# KiCad board 9W_SYSKA.kicad_pcb (continued)
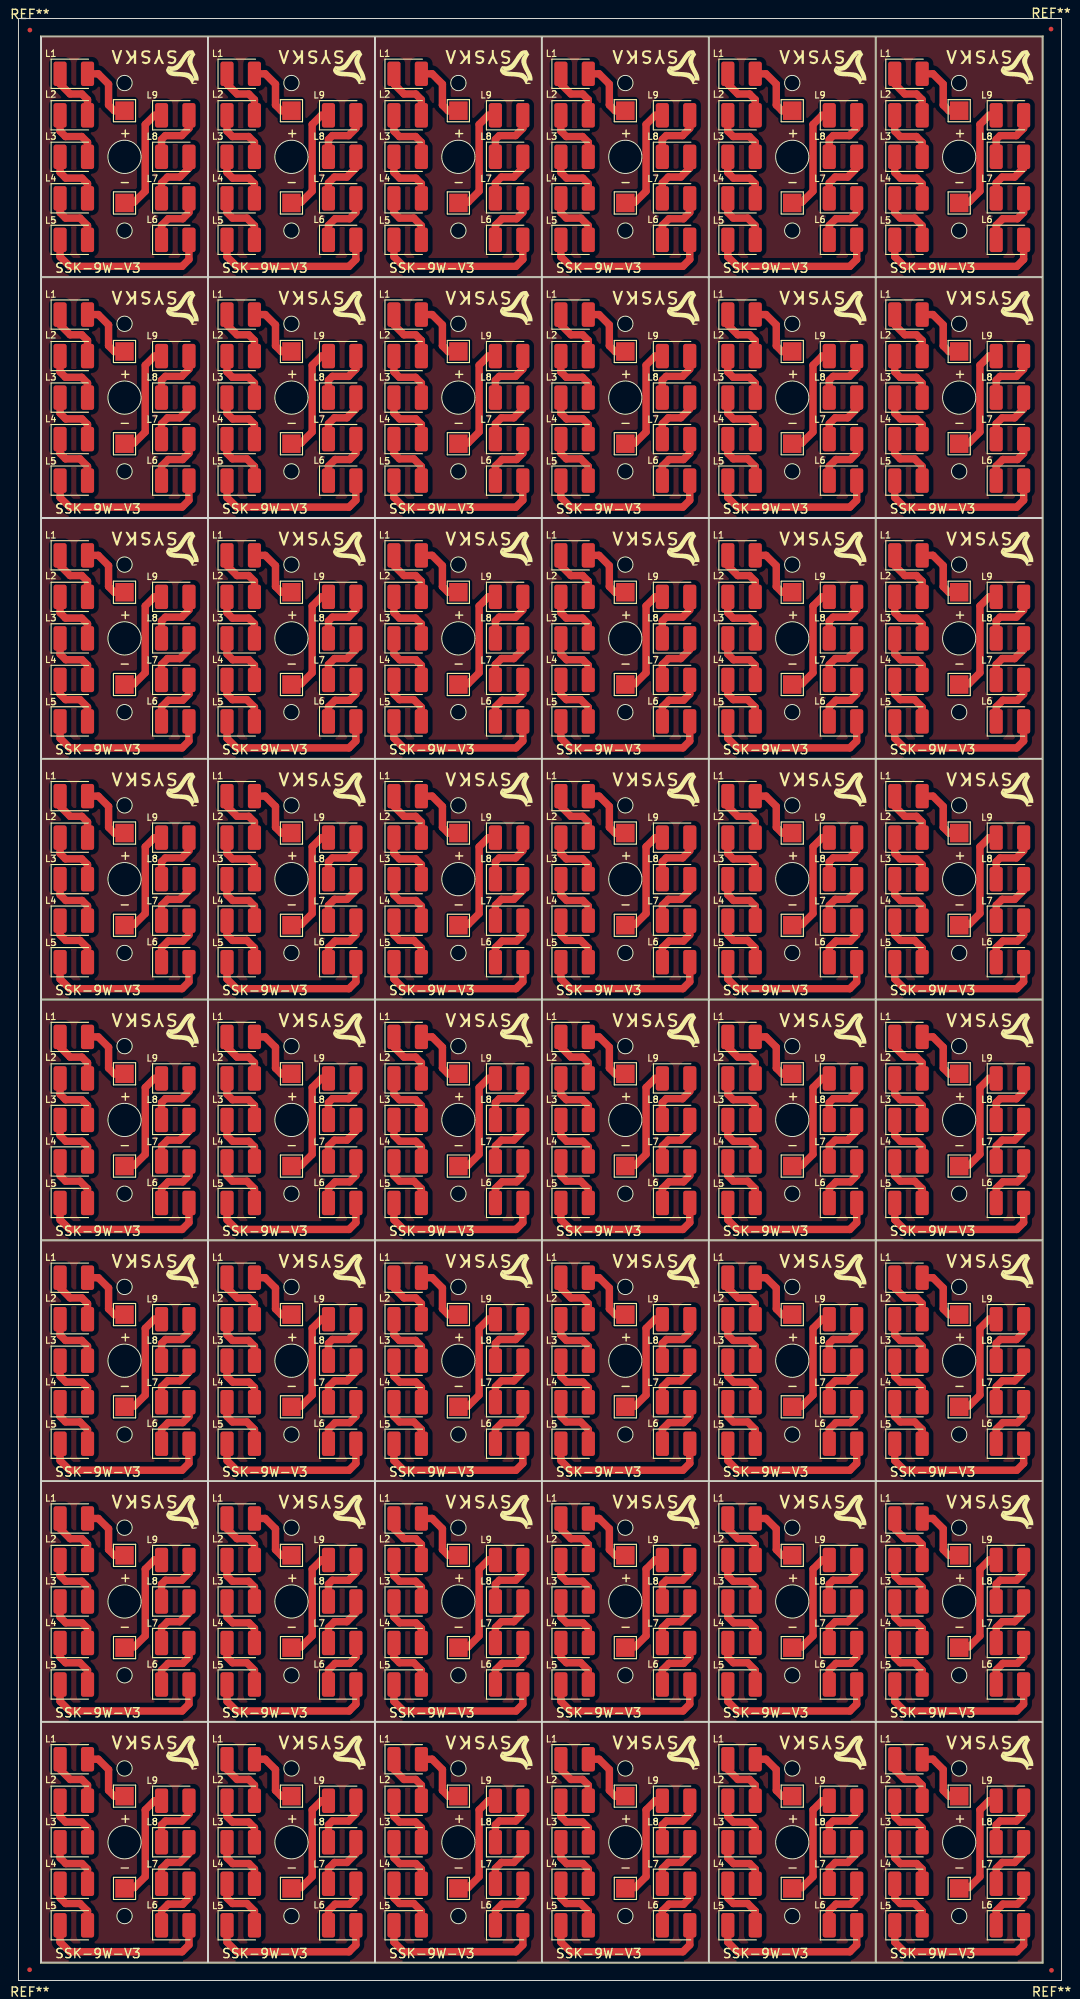
[diagram p0: board, top side]
## Nets (continued)
Net-(L3-K): L3.1 L3#2.1 L3#3.1 L3#4.1 L3#5.1 L3#6.1 L3#7.1 L3#8.1 L3#9.1 L3#10.1 L3#11.1 L3#12.1 L3#13.1 L3#14.1 L3#15.1 L3#16.1 L3#17.1 L3#18.1 L3#19.1 L3#20.1 L3#21.1 L3#22.1 L3#23.1 L3#24.1 L3#25.1 L3#26.1 L3#27.1 L3#28.1 L3#29.1 L3#30.1 L3#31.1 L3#32.1 L3#33.1 L3#34.1 L3#35.1 L3#36.1 L3#37.1 L3#38.1 L3#39.1 L3#40.1 L3#41.1 L3#42.1 L3#43.1 L3#44.1 L3#45.1 L3#46.1 L3#47.1 L3#48.1 L4.2 L4#2.2 L4#3.2 L4#4.2 L4#5.2 L4#6.2 L4#7.2 L4#8.2 L4#9.2 L4#10.2 L4#11.2 L4#12.2 L4#13.2 L4#14.2 L4#15.2 L4#16.2 L4#17.2 L4#18.2 L4#19.2 L4#20.2 L4#21.2 L4#22.2 L4#23.2 L4#24.2 L4#25.2 L4#26.2 L4#27.2 L4#28.2 L4#29.2 L4#30.2 L4#31.2 L4#32.2 L4#33.2 L4#34.2 L4#35.2 L4#36.2 L4#37.2 L4#38.2 L4#39.2 L4#40.2 L4#41.2 L4#42.2 L4#43.2 L4#44.2 L4#45.2 L4#46.2 L4#47.2 L4#48.2
Net-(L4-K): L4.1 L4#2.1 L4#3.1 L4#4.1 L4#5.1 L4#6.1 L4#7.1 L4#8.1 L4#9.1 L4#10.1 L4#11.1 L4#12.1 L4#13.1 L4#14.1 L4#15.1 L4#16.1 L4#17.1 L4#18.1 L4#19.1 L4#20.1 L4#21.1 L4#22.1 L4#23.1 L4#24.1 L4#25.1 L4#26.1 L4#27.1 L4#28.1 L4#29.1 L4#30.1 L4#31.1 L4#32.1 L4#33.1 L4#34.1 L4#35.1 L4#36.1 L4#37.1 L4#38.1 L4#39.1 L4#40.1 L4#41.1 L4#42.1 L4#43.1 L4#44.1 L4#45.1 L4#46.1 L4#47.1 L4#48.1 L5.2 L5#2.2 L5#3.2 L5#4.2 L5#5.2 L5#6.2 L5#7.2 L5#8.2 L5#9.2 L5#10.2 L5#11.2 L5#12.2 L5#13.2 L5#14.2 L5#15.2 L5#16.2 L5#17.2 L5#18.2 L5#19.2 L5#20.2 L5#21.2 L5#22.2 L5#23.2 L5#24.2 L5#25.2 L5#26.2 L5#27.2 L5#28.2 L5#29.2 L5#30.2 L5#31.2 L5#32.2 L5#33.2 L5#34.2 L5#35.2 L5#36.2 L5#37.2 L5#38.2 L5#39.2 L5#40.2 L5#41.2 L5#42.2 L5#43.2 L5#44.2 L5#45.2 L5#46.2 L5#47.2 L5#48.2
Net-(L5-K): L5.1 L5#2.1 L5#3.1 L5#4.1 L5#5.1 L5#6.1 L5#7.1 L5#8.1 L5#9.1 L5#10.1 L5#11.1 L5#12.1 L5#13.1 L5#14.1 L5#15.1 L5#16.1 L5#17.1 L5#18.1 L5#19.1 L5#20.1 L5#21.1 L5#22.1 L5#23.1 L5#24.1 L5#25.1 L5#26.1 L5#27.1 L5#28.1 L5#29.1 L5#30.1 L5#31.1 L5#32.1 L5#33.1 L5#34.1 L5#35.1 L5#36.1 L5#37.1 L5#38.1 L5#39.1 L5#40.1 L5#41.1 L5#42.1 L5#43.1 L5#44.1 L5#45.1 L5#46.1 L5#47.1 L5#48.1 L6.2 L6#2.2 L6#3.2 L6#4.2 L6#5.2 L6#6.2 L6#7.2 L6#8.2 L6#9.2 L6#10.2 L6#11.2 L6#12.2 L6#13.2 L6#14.2 L6#15.2 L6#16.2 L6#17.2 L6#18.2 L6#19.2 L6#20.2 L6#21.2 L6#22.2 L6#23.2 L6#24.2 L6#25.2 L6#26.2 L6#27.2 L6#28.2 L6#29.2 L6#30.2 L6#31.2 L6#32.2 L6#33.2 L6#34.2 L6#35.2 L6#36.2 L6#37.2 L6#38.2 L6#39.2 L6#40.2 L6#41.2 L6#42.2 L6#43.2 L6#44.2 L6#45.2 L6#46.2 L6#47.2 L6#48.2
Net-(L6-K): L6.1 L6#2.1 L6#3.1 L6#4.1 L6#5.1 L6#6.1 L6#7.1 L6#8.1 L6#9.1 L6#10.1 L6#11.1 L6#12.1 L6#13.1 L6#14.1 L6#15.1 L6#16.1 L6#17.1 L6#18.1 L6#19.1 L6#20.1 L6#21.1 L6#22.1 L6#23.1 L6#24.1 L6#25.1 L6#26.1 L6#27.1 L6#28.1 L6#29.1 L6#30.1 L6#31.1 L6#32.1 L6#33.1 L6#34.1 L6#35.1 L6#36.1 L6#37.1 L6#38.1 L6#39.1 L6#40.1 L6#41.1 L6#42.1 L6#43.1 L6#44.1 L6#45.1 L6#46.1 L6#47.1 L6#48.1 L7.2 L7#2.2 L7#3.2 L7#4.2 L7#5.2 L7#6.2 L7#7.2 L7#8.2 L7#9.2 L7#10.2 L7#11.2 L7#12.2 L7#13.2 L7#14.2 L7#15.2 L7#16.2 L7#17.2 L7#18.2 L7#19.2 L7#20.2 L7#21.2 L7#22.2 L7#23.2 L7#24.2 L7#25.2 L7#26.2 L7#27.2 L7#28.2 L7#29.2 L7#30.2 L7#31.2 L7#32.2 L7#33.2 L7#34.2 L7#35.2 L7#36.2 L7#37.2 L7#38.2 L7#39.2 L7#40.2 L7#41.2 L7#42.2 L7#43.2 L7#44.2 L7#45.2 L7#46.2 L7#47.2 L7#48.2
Net-(L7-K): L7.1 L7#2.1 L7#3.1 L7#4.1 L7#5.1 L7#6.1 L7#7.1 L7#8.1 L7#9.1 L7#10.1 L7#11.1 L7#12.1 L7#13.1 L7#14.1 L7#15.1 L7#16.1 L7#17.1 L7#18.1 L7#19.1 L7#20.1 L7#21.1 L7#22.1 L7#23.1 L7#24.1 L7#25.1 L7#26.1 L7#27.1 L7#28.1 L7#29.1 L7#30.1 L7#31.1 L7#32.1 L7#33.1 L7#34.1 L7#35.1 L7#36.1 L7#37.1 L7#38.1 L7#39.1 L7#40.1 L7#41.1 L7#42.1 L7#43.1 L7#44.1 L7#45.1 L7#46.1 L7#47.1 L7#48.1 L8.2 L8#2.2 L8#3.2 L8#4.2 L8#5.2 L8#6.2 L8#7.2 L8#8.2 L8#9.2 L8#10.2 L8#11.2 L8#12.2 L8#13.2 L8#14.2 L8#15.2 L8#16.2 L8#17.2 L8#18.2 L8#19.2 L8#20.2 L8#21.2 L8#22.2 L8#23.2 L8#24.2 L8#25.2 L8#26.2 L8#27.2 L8#28.2 L8#29.2 L8#30.2 L8#31.2 L8#32.2 L8#33.2 L8#34.2 L8#35.2 L8#36.2 L8#37.2 L8#38.2 L8#39.2 L8#40.2 L8#41.2 L8#42.2 L8#43.2 L8#44.2 L8#45.2 L8#46.2 L8#47.2 L8#48.2
Net-(L8-K): L8.1 L8#2.1 L8#3.1 L8#4.1 L8#5.1 L8#6.1 L8#7.1 L8#8.1 L8#9.1 L8#10.1 L8#11.1 L8#12.1 L8#13.1 L8#14.1 L8#15.1 L8#16.1 L8#17.1 L8#18.1 L8#19.1 L8#20.1 L8#21.1 L8#22.1 L8#23.1 L8#24.1 L8#25.1 L8#26.1 L8#27.1 L8#28.1 L8#29.1 L8#30.1 L8#31.1 L8#32.1 L8#33.1 L8#34.1 L8#35.1 L8#36.1 L8#37.1 L8#38.1 L8#39.1 L8#40.1 L8#41.1 L8#42.1 L8#43.1 L8#44.1 L8#45.1 L8#46.1 L8#47.1 L8#48.1 L9.2 L9#2.2 L9#3.2 L9#4.2 L9#5.2 L9#6.2 L9#7.2 L9#8.2 L9#9.2 L9#10.2 L9#11.2 L9#12.2 L9#13.2 L9#14.2 L9#15.2 L9#16.2 L9#17.2 L9#18.2 L9#19.2 L9#20.2 L9#21.2 L9#22.2 L9#23.2 L9#24.2 L9#25.2 L9#26.2 L9#27.2 L9#28.2 L9#29.2 L9#30.2 L9#31.2 L9#32.2 L9#33.2 L9#34.2 L9#35.2 L9#36.2 L9#37.2 L9#38.2 L9#39.2 L9#40.2 L9#41.2 L9#42.2 L9#43.2 L9#44.2 L9#45.2 L9#46.2 L9#47.2 L9#48.2

## Routing (per net, layer and track width the routed paths; a pad name or vN(x,y) marks a point on that pad's centre or on a via; arc(x,y) is an arc through that point)
Net-(J1-Pin_1): length 335.7
  Top w0.8: L1#37.2 81.05,50.09 82.17,48.97 82.17,46.71 82.79,46.09 J1#2.1 ; J1#41.1 100.89,176.59 100.27,177.21 100.27,179.47 99.15,180.59 L1#19.2 ; L1#36.2 26.75,154.49 27.87,153.37 27.87,151.11 28.49,150.49 J1#22.1 ; J1#43.1 64.69,176.59 64.07,177.21 64.07,179.47 62.95,180.59 L1#32.2 ; L1#3.2 81.05,206.69 82.17,205.57 82.17,203.31 82.79,202.69 J1#44.1 ; L1#17.2 81.05,154.49 82.17,153.37 82.17,151.11 82.79,150.49 J1#23.1 ; J1#47.1 10.39,124.39 9.77,125.01 9.77,127.27 8.65,128.39 L1#34.2 ; L1#23.2 99.15,102.29 100.27,101.17 100.27,98.91 100.89,98.29 J1#28.1 ; L1#10.2 8.65,23.99 9.77,22.87 9.77,20.61 10.39,19.99 J1#17.1 ; J1#16.1 64.69,72.19 64.07,72.81 64.07,75.07 62.95,76.19 L1#39.2 ; J1#5.1 46.59,46.09 45.97,46.71 45.97,48.97 44.85,50.09 L1#29.2 ; J1#33.1 64.69,19.99 64.07,20.61 64.07,22.87 62.95,23.99 L1#30.2 ; L1#46.2 26.75,50.09 27.87,48.97 27.87,46.71 28.49,46.09 J1#39.1 ; J1#32.1 10.39,176.59 9.77,177.21 9.77,179.47 8.65,180.59 L1#48.2 ; J1#27.1 82.79,19.99 82.17,20.61 82.17,22.87 81.05,23.99 L1#24.2 ; J1#20.1 46.59,202.69 45.97,203.31 45.97,205.57 44.85,206.69 L1#14.2 ; J1#40.1 82.79,124.39 82.17,125.01 82.17,127.27 81.05,128.39 L1#44.2 ; J1#14.1 64.69,150.49 64.07,151.11 64.07,153.37 62.95,154.49 L1#18.2 ; L1.2 81.05,180.59 82.17,179.47 82.17,177.21 82.79,176.59 J1#4.1 ; J1#30.1 28.49,202.69 27.87,203.31 27.87,205.57 26.75,206.69 L1#15.2 ; J1#36.1 46.59,72.19 45.97,72.81 45.97,75.07 44.85,76.19 L1#25.2 ; J1#34.1 28.49,98.29 27.87,98.91 27.87,101.17 26.75,102.29 L1#13.2 ; L1#40.2 62.95,128.39 64.07,127.27 64.07,125.01 64.69,124.39 J1#9.1 ; L1#43.2 8.65,102.29 9.77,101.17 9.77,98.91 10.39,98.29 J1#11.1 ; L1#41.2 44.85,102.29 45.97,101.17 45.97,98.91 46.59,98.29 J1#31.1 ; J1#46.1 46.59,176.59 45.97,177.21 45.97,179.47 44.85,180.59 L1#5.2 ; L1#6.2 62.95,206.69 64.07,205.57 64.07,203.31 64.69,202.69 J1#15.1 ; L1#16.2 99.15,50.09 100.27,48.97 100.27,46.71 100.89,46.09 J1#6.1 ; J1#25.1 100.89,202.69 100.27,203.31 100.27,205.57 99.15,206.69 L1#38.2 ; L1#26.2 8.65,154.49 9.77,153.37 9.77,151.11 10.39,150.49 J1#37.1 ; J1#21.1 100.89,72.19 100.27,72.81 100.27,75.07 99.15,76.19 L1#11.2 ; L1#27.2 26.75,128.39 27.87,127.27 27.87,125.01 28.49,124.39 J1.1 ; L1#42.2 8.65,50.09 9.77,48.97 9.77,46.71 10.39,46.09 J1#48.1 ; L1#21.2 26.75,76.19 27.87,75.07 27.87,72.81 28.49,72.19 J1#24.1 ; L1#12.2 44.85,128.39 45.97,127.27 45.97,125.01 46.59,124.39 J1#8.1 ; J1#3.1 46.59,150.49 45.97,151.11 45.97,153.37 44.85,154.49 L1#8.2 ; J1#7.1 28.49,19.99 27.87,20.61 27.87,22.87 26.75,23.99 L1#4.2 ; L1#7.2 44.85,23.99 45.97,22.87 45.97,20.61 46.59,19.99 J1#13.1 ; L1#33.2 8.65,206.69 9.77,205.57 9.77,203.31 10.39,202.69 J1#42.1 ; J1#10.1 100.89,124.39 100.27,125.01 100.27,127.27 99.15,128.39 L1#45.2 ; L1#28.2 99.15,154.49 100.27,153.37 100.27,151.11 100.89,150.49 J1#19.1 ; L1#2.2 26.75,180.59 27.87,179.47 27.87,177.21 28.49,176.59 J1#29.1 ; L1#22.2 81.05,102.29 82.17,101.17 82.17,98.91 82.79,98.29 J1#26.1 ; J1#12.1 82.79,72.19 82.17,72.81 82.17,75.07 81.05,76.19 L1#31.2 ; J1#45.1 64.69,46.09 64.07,46.71 64.07,48.97 62.95,50.09 L1#47.2 ; L1#20.2 62.95,102.29 64.07,101.17 64.07,98.91 64.69,98.29 J1#38.1 ; J1#35.1 10.39,72.19 9.77,72.81 9.77,75.07 8.65,76.19 L1#35.2 ; L1#9.2 99.15,23.99 100.27,22.87 100.27,20.61 100.89,19.99 J1#18.1
Net-(J2-Pin_1): length 582.8
  Top w0.8: L9#31.1 14.74,97.79 13.75,96.8 13.75,89.57 12.57,88.39 11.5,88.39 ; L9#34.1 14.74,45.59 13.75,44.6 13.75,37.37 12.57,36.19 11.5,36.19 ; 65.8,36.19 66.87,36.19 68.05,37.37 68.05,44.6 69.04,45.59 L9#24.1 ; 65.8,192.79 66.87,192.79 68.05,193.97 68.05,201.2 69.04,202.19 L9#33.1 ; 102,140.59 103.07,140.59 104.25,141.77 104.25,149 105.24,149.99 L9#37.1 ; 65.8,62.29 66.87,62.29 68.05,63.47 68.05,70.7 69.04,71.69 L9#41.1 ; 33.62,123.89 32.84,123.89 31.85,122.9 31.85,115.67 30.67,114.49 29.6,114.49 ; 83.9,10.09 84.97,10.09 86.15,11.27 86.15,18.5 87.14,19.49 L9#15.1 ; 51.72,123.89 50.94,123.89 49.95,122.9 49.95,115.67 48.77,114.49 47.7,114.49 ; L9#21.1 105.24,123.89 104.25,122.9 104.25,115.67 103.07,114.49 102,114.49 ; 29.6,166.69 30.67,166.69 31.85,167.87 31.85,175.1 32.84,176.09 L9#23.1 ; 102,62.29 103.07,62.29 104.25,63.47 104.25,70.7 105.24,71.69 L9.1 ; 83.9,166.69 84.97,166.69 86.15,167.87 86.15,175.1 87.14,176.09 L9#16.1 ; L9#19.1 50.94,202.19 49.95,201.2 49.95,193.97 48.77,192.79 47.7,192.79 ; 65.8,166.69 66.87,166.69 68.05,167.87 68.05,175.1 69.04,176.09 L9#32.1 ; 33.62,97.79 32.84,97.79 31.85,96.8 31.85,89.57 30.67,88.39 29.6,88.39 ; 29.6,192.79 30.67,192.79 31.85,193.97 31.85,201.2 32.84,202.19 L9#26.1 ; L9#7.1 87.14,123.89 86.15,122.9 86.15,115.67 84.97,114.49 83.9,114.49 ; 65.8,114.49 66.87,114.49 68.05,115.67 68.05,122.9 69.04,123.89 L9#40.1 ; L9#6.1 105.24,45.59 104.25,44.6 104.25,37.37 103.07,36.19 102,36.19 ; 11.5,114.49 12.57,114.49 13.75,115.67 13.75,122.9 14.74,123.89 L9#13.1 ; 33.62,71.69 32.84,71.69 31.85,70.7 31.85,63.47 30.67,62.29 29.6,62.29 ; 83.9,62.29 84.97,62.29 86.15,63.47 86.15,70.7 87.14,71.69 L9#11.1 ; L9#14.1 69.04,19.49 68.05,18.5 68.05,11.27 66.87,10.09 65.8,10.09 ; 83.9,36.19 84.97,36.19 86.15,37.37 86.15,44.6 87.14,45.59 L9#44.1 ; 47.7,36.19 48.77,36.19 49.95,37.37 49.95,44.6 50.94,45.59 51.72,45.59 ; L9#30.1 50.94,149.99 49.95,149 49.95,141.77 48.77,140.59 47.7,140.59 ; 83.9,140.59 84.97,140.59 86.15,141.77 86.15,149 87.14,149.99 L9#27.1 ; 83.9,88.39 84.97,88.39 86.15,89.57 86.15,96.8 87.14,97.79 L9#42.1 ; L9#8.1 69.04,149.99 68.05,149 68.05,141.77 66.87,140.59 65.8,140.59 ; 29.6,36.19 30.67,36.19 31.85,37.37 31.85,44.6 32.84,45.59 33.62,45.59 ; 11.5,192.79 12.57,192.79 13.75,193.97 13.75,201.2 14.74,202.19 L9#3.1 ; L9#17.1 14.74,71.69 13.75,70.7 13.75,63.47 12.57,62.29 11.5,62.29 ; L9#39.1 105.24,176.09 104.25,175.1 104.25,167.87 103.07,166.69 102,166.69 ; 102,192.79 103.07,192.79 104.25,193.97 104.25,201.2 105.24,202.19 L9#4.1 ; L9#38.1 87.14,202.19 86.15,201.2 86.15,193.97 84.97,192.79 83.9,192.79 ; 11.5,166.69 12.57,166.69 13.75,167.87 13.75,175.1 14.74,176.09 L9#29.1 ; L9#20.1 50.94,176.09 49.95,175.1 49.95,167.87 48.77,166.69 47.7,166.69 ; L9#12.1 14.74,19.49 13.75,18.5 13.75,11.27 12.57,10.09 11.5,10.09 ; L9#10.1 69.04,97.79 68.05,96.8 68.05,89.57 66.87,88.39 65.8,88.39 ; 29.6,140.59 30.67,140.59 31.85,141.77 31.85,149 32.84,149.99 L9#2.1 ; 51.72,71.69 50.94,71.69 49.95,70.7 49.95,63.47 48.77,62.29 47.7,62.29 ; L9#48.1 14.74,149.99 13.75,149 13.75,141.77 12.57,140.59 11.5,140.59 ; 33.62,19.49 32.84,19.49 31.85,18.5 31.85,11.27 30.67,10.09 29.6,10.09 ; L9#36.1 105.24,19.49 104.25,18.5 104.25,11.27 103.07,10.09 102,10.09 ; 47.7,88.39 48.77,88.39 49.95,89.57 49.95,96.8 50.94,97.79 51.72,97.79 ; 47.7,10.09 48.77,10.09 49.95,11.27 49.95,18.5 50.94,19.49 51.72,19.49 ; L9#47.1 105.24,97.79 104.25,96.8 104.25,89.57 103.07,88.39 102,88.39
Net-(L1-K): length 310.9
  Top w0.8: L2#3.2 61.79,99.48 61.17,100.1 59.9,100.1 58.81,101.19 L1#20.1 ; L1#30.1 58.81,22.89 59.9,21.8 61.17,21.8 61.79,21.18 L2#37.2 ; L2#41.2 25.59,99.48 24.97,100.1 23.7,100.1 22.61,101.19 L1#13.1 ; L2#27.2 79.89,21.18 79.27,21.8 78,21.8 76.91,22.89 L1#24.1 ; L2#6.2 25.59,177.78 24.97,178.4 23.7,178.4 22.61,179.49 L1#2.1 ; L2#42.2 7.49,47.28 6.87,47.9 5.6,47.9 4.52,48.99 L1#42.1 ; L2#34.2 79.89,177.78 79.27,178.4 78,178.4 76.91,179.49 L1.1 ; L2#21.2 97.99,151.68 97.37,152.3 96.1,152.3 95.01,153.39 L1#28.1 ; L1#31.1 76.91,75.09 78,74 79.27,74 79.89,73.38 L2#18.2 ; L1#40.1 58.81,127.29 59.9,126.2 61.17,126.2 61.79,125.58 L2#36.2 ; L1#46.1 22.61,48.99 23.7,47.9 24.97,47.9 25.59,47.28 L2#43.2 ; L2#16.2 97.99,73.38 97.37,74 96.1,74 95.01,75.09 L1#11.1 ; L1#5.1 40.71,179.49 41.8,178.4 43.07,178.4 43.69,177.78 L2#28.2 ; L1#8.1 40.71,153.39 41.8,152.3 43.07,152.3 43.69,151.68 L2#32.2 ; L2.2 43.69,99.48 43.07,100.1 41.8,100.1 40.72,101.19 40.72,102.29 ; L2#8.2 61.79,47.28 61.17,47.9 59.9,47.9 58.81,48.99 L1#47.1 ; 40.72,50.09 40.72,48.99 41.8,47.9 43.07,47.9 43.69,47.28 L2#2.2 ; L1#39.1 58.81,75.09 59.9,74 61.17,74 61.79,73.38 L2#15.2 ; L1#6.1 58.81,205.59 59.9,204.5 61.17,204.5 61.79,203.88 L2#4.2 ; L1#37.1 76.91,48.99 78,47.9 79.27,47.9 79.89,47.28 L2#23.2 ; L2#47.2 97.99,203.88 97.37,204.5 96.1,204.5 95.01,205.59 L1#38.1 ; L2#14.2 7.49,177.78 6.87,178.4 5.6,178.4 4.51,179.49 L1#48.1 ; L1#21.1 22.61,75.09 23.7,74 24.97,74 25.59,73.38 L2#24.2 ; L1#43.1 4.52,101.19 5.6,100.1 6.87,100.1 7.49,99.48 L2#29.2 ; L1#10.1 4.52,22.89 5.6,21.8 6.87,21.8 7.49,21.18 L2#33.2 ; L1#9.1 95.01,22.89 96.1,21.8 97.37,21.8 97.99,21.18 L2#46.2 ; L2#22.2 43.69,125.58 43.07,126.2 41.8,126.2 40.72,127.29 40.72,128.39 ; L2#9.2 7.49,151.68 6.87,152.3 5.6,152.3 4.51,153.39 L1#26.1 ; L2#45.2 79.89,151.68 79.27,152.3 78,152.3 76.91,153.39 L1#17.1 ; L1#44.1 76.91,127.29 78,126.2 79.27,126.2 79.89,125.58 L2#17.2 ; L1#36.1 22.61,153.39 23.7,152.3 24.97,152.3 25.59,151.68 L2#38.2 ; L2#10.2 25.59,21.18 24.97,21.8 23.7,21.8 22.61,22.89 L1#4.1 ; L1#15.1 22.61,205.59 23.7,204.5 24.97,204.5 25.59,203.88 L2#26.2 ; L2#39.2 7.49,203.88 6.87,204.5 5.6,204.5 4.51,205.59 L1#33.1 ; L2#5.2 61.79,177.78 61.17,178.4 59.9,178.4 58.81,179.49 L1#32.1 ; L1#23.1 95.01,101.19 96.1,100.1 97.37,100.1 97.99,99.48 L2#19.2 ; 40.72,76.19 40.72,75.09 41.8,74 43.07,74 43.69,73.38 L2#30.2 ; L2#12.2 25.59,125.58 24.97,126.2 23.7,126.2 22.61,127.29 L1#27.1 ; 40.72,23.99 40.72,22.89 41.8,21.8 43.07,21.8 43.69,21.18 L2#40.2 ; L1#22.1 76.91,101.19 78,100.1 79.27,100.1 79.89,99.48 L2#11.2 ; L2#20.2 7.49,125.58 6.87,126.2 5.6,126.2 4.52,127.29 L1#34.1 ; L2#44.2 43.69,203.88 43.07,204.5 41.8,204.5 40.71,205.59 L1#14.1 ; L2#35.2 97.99,177.78 97.37,178.4 96.1,178.4 95.01,179.49 L1#19.1 ; L1#16.1 95.01,48.99 96.1,47.9 97.37,47.9 97.99,47.28 L2#7.2 ; L2#48.2 61.79,151.68 61.17,152.3 59.9,152.3 58.81,153.39 L1#18.1 ; L2#31.2 79.89,203.88 79.27,204.5 78,204.5 76.91,205.59 L1#3.1 ; L2#25.2 97.99,125.58 97.37,126.2 96.1,126.2 95.01,127.29 L1#45.1 ; L2#13.2 7.49,73.38 6.87,74 5.6,74 4.52,75.09 L1#35.1
Net-(L2-K): length 324.6
  Top w0.8: L3#42.2 7.49,68.76 6.86,69.39 5.1,69.39 4.52,69.98 L2#13.1 ; L3#12.2 61.79,42.66 61.16,43.29 59.4,43.29 58.81,43.88 L2#8.1 ; L3#34.2 25.59,16.56 24.96,17.19 23.2,17.19 22.61,17.78 L2#10.1 ; L3#38.2 97.99,68.76 97.36,69.39 95.6,69.39 95.01,69.98 L2#16.1 ; L2#32.1 40.71,148.28 41.3,147.69 43.06,147.69 43.69,147.06 L3#45.2 ; L2#33.1 4.52,17.78 5.1,17.19 6.86,17.19 7.49,16.56 L3#29.2 ; L3#5.2 7.49,42.66 6.86,43.29 5.1,43.29 4.52,43.88 L2#42.1 ; L2#23.1 76.91,43.88 77.5,43.29 79.26,43.29 79.89,42.66 L3#4.2 ; L2#35.1 95.01,174.38 95.6,173.79 97.36,173.79 97.99,173.16 L3#14.2 ; L3#19.2 79.89,16.56 79.26,17.19 77.5,17.19 76.91,17.78 L2#27.1 ; L3#25.2 43.69,199.26 43.06,199.89 41.3,199.89 40.71,200.48 L2#44.1 ; L3#27.2 61.79,68.76 61.16,69.39 59.4,69.39 58.81,69.98 L2#15.1 ; L2#21.1 95.01,148.28 95.6,147.69 97.36,147.69 97.99,147.06 L3#41.2 ; L3#46.2 79.89,147.06 79.26,147.69 77.5,147.69 76.91,148.28 L2#45.1 ; L2#26.1 22.61,200.48 23.2,199.89 24.96,199.89 25.59,199.26 L3#13.2 ; L3#18.2 25.59,68.76 24.96,69.39 23.2,69.39 22.61,69.98 L2#24.1 ; L3#30.2 97.99,120.96 97.36,121.59 95.6,121.59 95.01,122.18 L2#25.1 ; L2#38.1 22.61,148.28 23.2,147.69 24.96,147.69 25.59,147.06 L3#35.2 ; L3#39.2 97.99,94.86 97.36,95.49 95.6,95.49 95.01,96.08 L2#19.1 ; L3#17.2 43.69,173.16 43.06,173.79 41.3,173.79 40.71,174.38 L2#28.1 ; L2#47.1 95.01,200.48 95.6,199.89 97.36,199.89 97.99,199.26 L3#7.2 ; L2#18.1 76.91,69.98 77.5,69.39 79.26,69.39 79.89,68.76 L3#40.2 ; 40.72,123.89 40.72,122.18 41.3,121.59 43.06,121.59 43.69,120.96 L3#23.2 ; L3#33.2 7.49,120.96 6.86,121.59 5.1,121.59 4.52,122.18 L2#20.1 ; L2#41.1 22.61,96.08 23.2,95.49 24.96,95.49 25.59,94.86 L3#47.2 ; L2#4.1 58.81,200.48 59.4,199.89 61.16,199.89 61.79,199.26 L3#6.2 ; L2#14.1 4.51,174.38 5.1,173.79 6.86,173.79 7.49,173.16 L3#44.2 ; L2#39.1 4.51,200.48 5.1,199.89 6.86,199.89 7.49,199.26 L3#48.2 ; L2#5.1 58.81,174.38 59.4,173.79 61.16,173.79 61.79,173.16 L3#11.2 ; L3#3.2 79.89,199.26 79.26,199.89 77.5,199.89 76.91,200.48 L2#31.1 ; L2#11.1 76.91,96.08 77.5,95.49 79.26,95.49 79.89,94.86 L3#24.2 ; L3#28.2 79.89,173.16 79.26,173.79 77.5,173.79 76.91,174.38 L2#34.1 ; L2#48.1 58.81,148.28 59.4,147.69 61.16,147.69 61.79,147.06 L3#43.2 ; L3#26.2 43.69,16.56 43.06,17.19 41.3,17.19 40.72,17.78 40.72,19.49 ; 40.72,97.79 40.72,96.08 41.3,95.49 43.06,95.49 43.69,94.86 L3#15.2 ; L2#6.1 22.61,174.38 23.2,173.79 24.96,173.79 25.59,173.16 L3#36.2 ; L3#21.2 97.99,42.66 97.36,43.29 95.6,43.29 95.01,43.88 L2#7.1 ; L2#36.1 58.81,122.18 59.4,121.59 61.16,121.59 61.79,120.96 L3#37.2 ; L3#20.2 25.59,42.66 24.96,43.29 23.2,43.29 22.61,43.88 L2#43.1 ; L2#3.1 58.81,96.08 59.4,95.49 61.16,95.49 61.79,94.86 L3#8.2 ; L3#16.2 43.69,42.66 43.06,43.29 41.3,43.29 40.72,43.88 40.72,45.59 ; L3#22.2 97.99,16.56 97.36,17.19 95.6,17.19 95.01,17.78 L2#46.1 ; L2#9.1 4.51,148.28 5.1,147.69 6.86,147.69 7.49,147.06 L3#31.2 ; L2#17.1 76.91,122.18 77.5,121.59 79.26,121.59 79.89,120.96 L3.2 ; 40.72,71.69 40.72,69.98 41.3,69.39 43.06,69.39 43.69,68.76 L3#10.2 ; L2#12.1 22.61,122.18 23.2,121.59 24.96,121.59 25.59,120.96 L3#32.2 ; L3#9.2 7.49,94.86 6.86,95.49 5.1,95.49 4.52,96.08 L2#29.1 ; L2#37.1 58.81,17.78 59.4,17.19 61.16,17.19 61.79,16.56 L3#2.2
Net-(L3-K): length 324.6
  Top w0.8: L4#23.2 79.89,12.08 79.29,12.68 77.53,12.68 76.91,13.3 L3#19.1 ; L3#5.1 4.52,39.4 5.13,38.78 6.89,38.78 7.49,38.18 L4#17.2 ; L4#21.2 79.89,194.78 79.29,195.38 77.53,195.38 76.91,196 L3#3.1 ; L4#28.2 97.99,194.78 97.39,195.38 95.63,195.38 95.01,196 L3#7.1 ; L3#46.1 76.91,143.8 77.53,143.18 79.29,143.18 79.89,142.58 L4#25.2 ; L4#35.2 7.49,142.58 6.89,143.18 5.13,143.18 4.51,143.8 L3#31.1 ; L4#24.2 25.59,168.68 24.99,169.28 23.23,169.28 22.61,169.9 L3#36.1 ; L3#9.1 4.52,91.6 5.13,90.98 6.89,90.98 7.49,90.38 L4#20.2 ; L4#48.2 97.99,64.28 97.39,64.88 95.63,64.88 95.01,65.5 L3#38.1 ; L3#20.1 22.61,39.4 23.23,38.78 24.99,38.78 25.59,38.18 L4#33.2 ; L3#13.1 22.61,196 23.23,195.38 24.99,195.38 25.59,194.78 L4#40.2 ; L3#41.1 95.01,143.8 95.63,143.18 97.39,143.18 97.99,142.58 L4.2 ; L4#38.2 97.99,116.48 97.39,117.08 95.63,117.08 95.01,117.7 L3#30.1 ; L4#11.2 61.79,90.38 61.19,90.98 59.43,90.98 58.81,91.6 L3#8.1 ; L4#39.2 7.49,116.48 6.89,117.08 5.13,117.08 4.52,117.7 L3#33.1 ; L4#34.2 79.89,168.68 79.29,169.28 77.53,169.28 76.91,169.9 L3#28.1 ; L4#7.2 25.59,64.28 24.99,64.88 23.23,64.88 22.61,65.5 L3#18.1 ; L4#46.2 25.59,116.48 24.99,117.08 23.23,117.08 22.61,117.7 L3#32.1 ; L4#36.2 25.59,90.38 24.99,90.98 23.23,90.98 22.61,91.6 L3#47.1 ; L3#2.1 58.81,13.3 59.43,12.68 61.19,12.68 61.79,12.08 L4#45.2 ; L3#43.1 58.81,143.8 59.43,143.18 61.19,143.18 61.79,142.58 L4#47.2 ; 40.72,67.19 40.72,65.5 41.33,64.88 43.09,64.88 43.69,64.28 L4#9.2 ; L4#32.2 61.79,64.28 61.19,64.88 59.43,64.88 58.81,65.5 L3#27.1 ; L4#18.2 43.69,142.58 43.09,143.18 41.33,143.18 40.71,143.8 L3#45.1 ; L3#25.1 40.71,196 41.33,195.38 43.09,195.38 43.69,194.78 L4#44.2 ; L3#24.1 76.91,91.6 77.53,90.98 79.29,90.98 79.89,90.38 L4#31.2 ; 40.72,119.39 40.72,117.7 41.33,117.08 43.09,117.08 43.69,116.48 L4#2.2 ; L3#22.1 95.01,13.3 95.63,12.68 97.39,12.68 97.99,12.08 L4#16.2 ; 40.72,14.99 40.72,13.3 41.33,12.68 43.09,12.68 43.69,12.08 L4#13.2 ; L3#12.1 58.81,39.4 59.43,38.78 61.19,38.78 61.79,38.18 L4#30.2 ; L3#44.1 4.51,169.9 5.13,169.28 6.89,169.28 7.49,168.68 L4#8.2 ; L4#26.2 7.49,64.28 6.89,64.88 5.13,64.88 4.52,65.5 L3#42.1 ; L3#21.1 95.01,39.4 95.63,38.78 97.39,38.78 97.99,38.18 L4#10.2 ; L4#29.2 7.49,194.78 6.89,195.38 5.13,195.38 4.51,196 L3#48.1 ; L3#11.1 58.81,169.9 59.43,169.28 61.19,169.28 61.79,168.68 L4#4.2 ; L3#34.1 22.61,13.3 23.23,12.68 24.99,12.68 25.59,12.08 L4#5.2 ; L3#17.1 40.71,169.9 41.33,169.28 43.09,169.28 43.69,168.68 L4#19.2 ; L3#6.1 58.81,196 59.43,195.38 61.19,195.38 61.79,194.78 L4#15.2 ; L4#27.2 97.99,168.68 97.39,169.28 95.63,169.28 95.01,169.9 L3#14.1 ; L4#43.2 43.69,38.18 43.09,38.78 41.33,38.78 40.72,39.4 40.72,41.09 ; L3#4.1 76.91,39.4 77.53,38.78 79.29,38.78 79.89,38.18 L4#14.2 ; 40.72,93.29 40.72,91.6 41.33,90.98 43.09,90.98 43.69,90.38 L4#37.2 ; L3#35.1 22.61,143.8 23.23,143.18 24.99,143.18 25.59,142.58 L4#6.2 ; L3#29.1 4.52,13.3 5.13,12.68 6.89,12.68 7.49,12.08 L4#12.2 ; L3.1 76.91,117.7 77.53,117.08 79.29,117.08 79.89,116.48 L4#3.2 ; L4#42.2 79.89,64.28 79.29,64.88 77.53,64.88 76.91,65.5 L3#40.1 ; L4#22.2 61.79,116.48 61.19,117.08 59.43,117.08 58.81,117.7 L3#37.1 ; L4#41.2 97.99,90.38 97.39,90.98 95.63,90.98 95.01,91.6 L3#39.1